# Altium PCB OpenRec.PcbDoc (part 3 of 4) (continued)
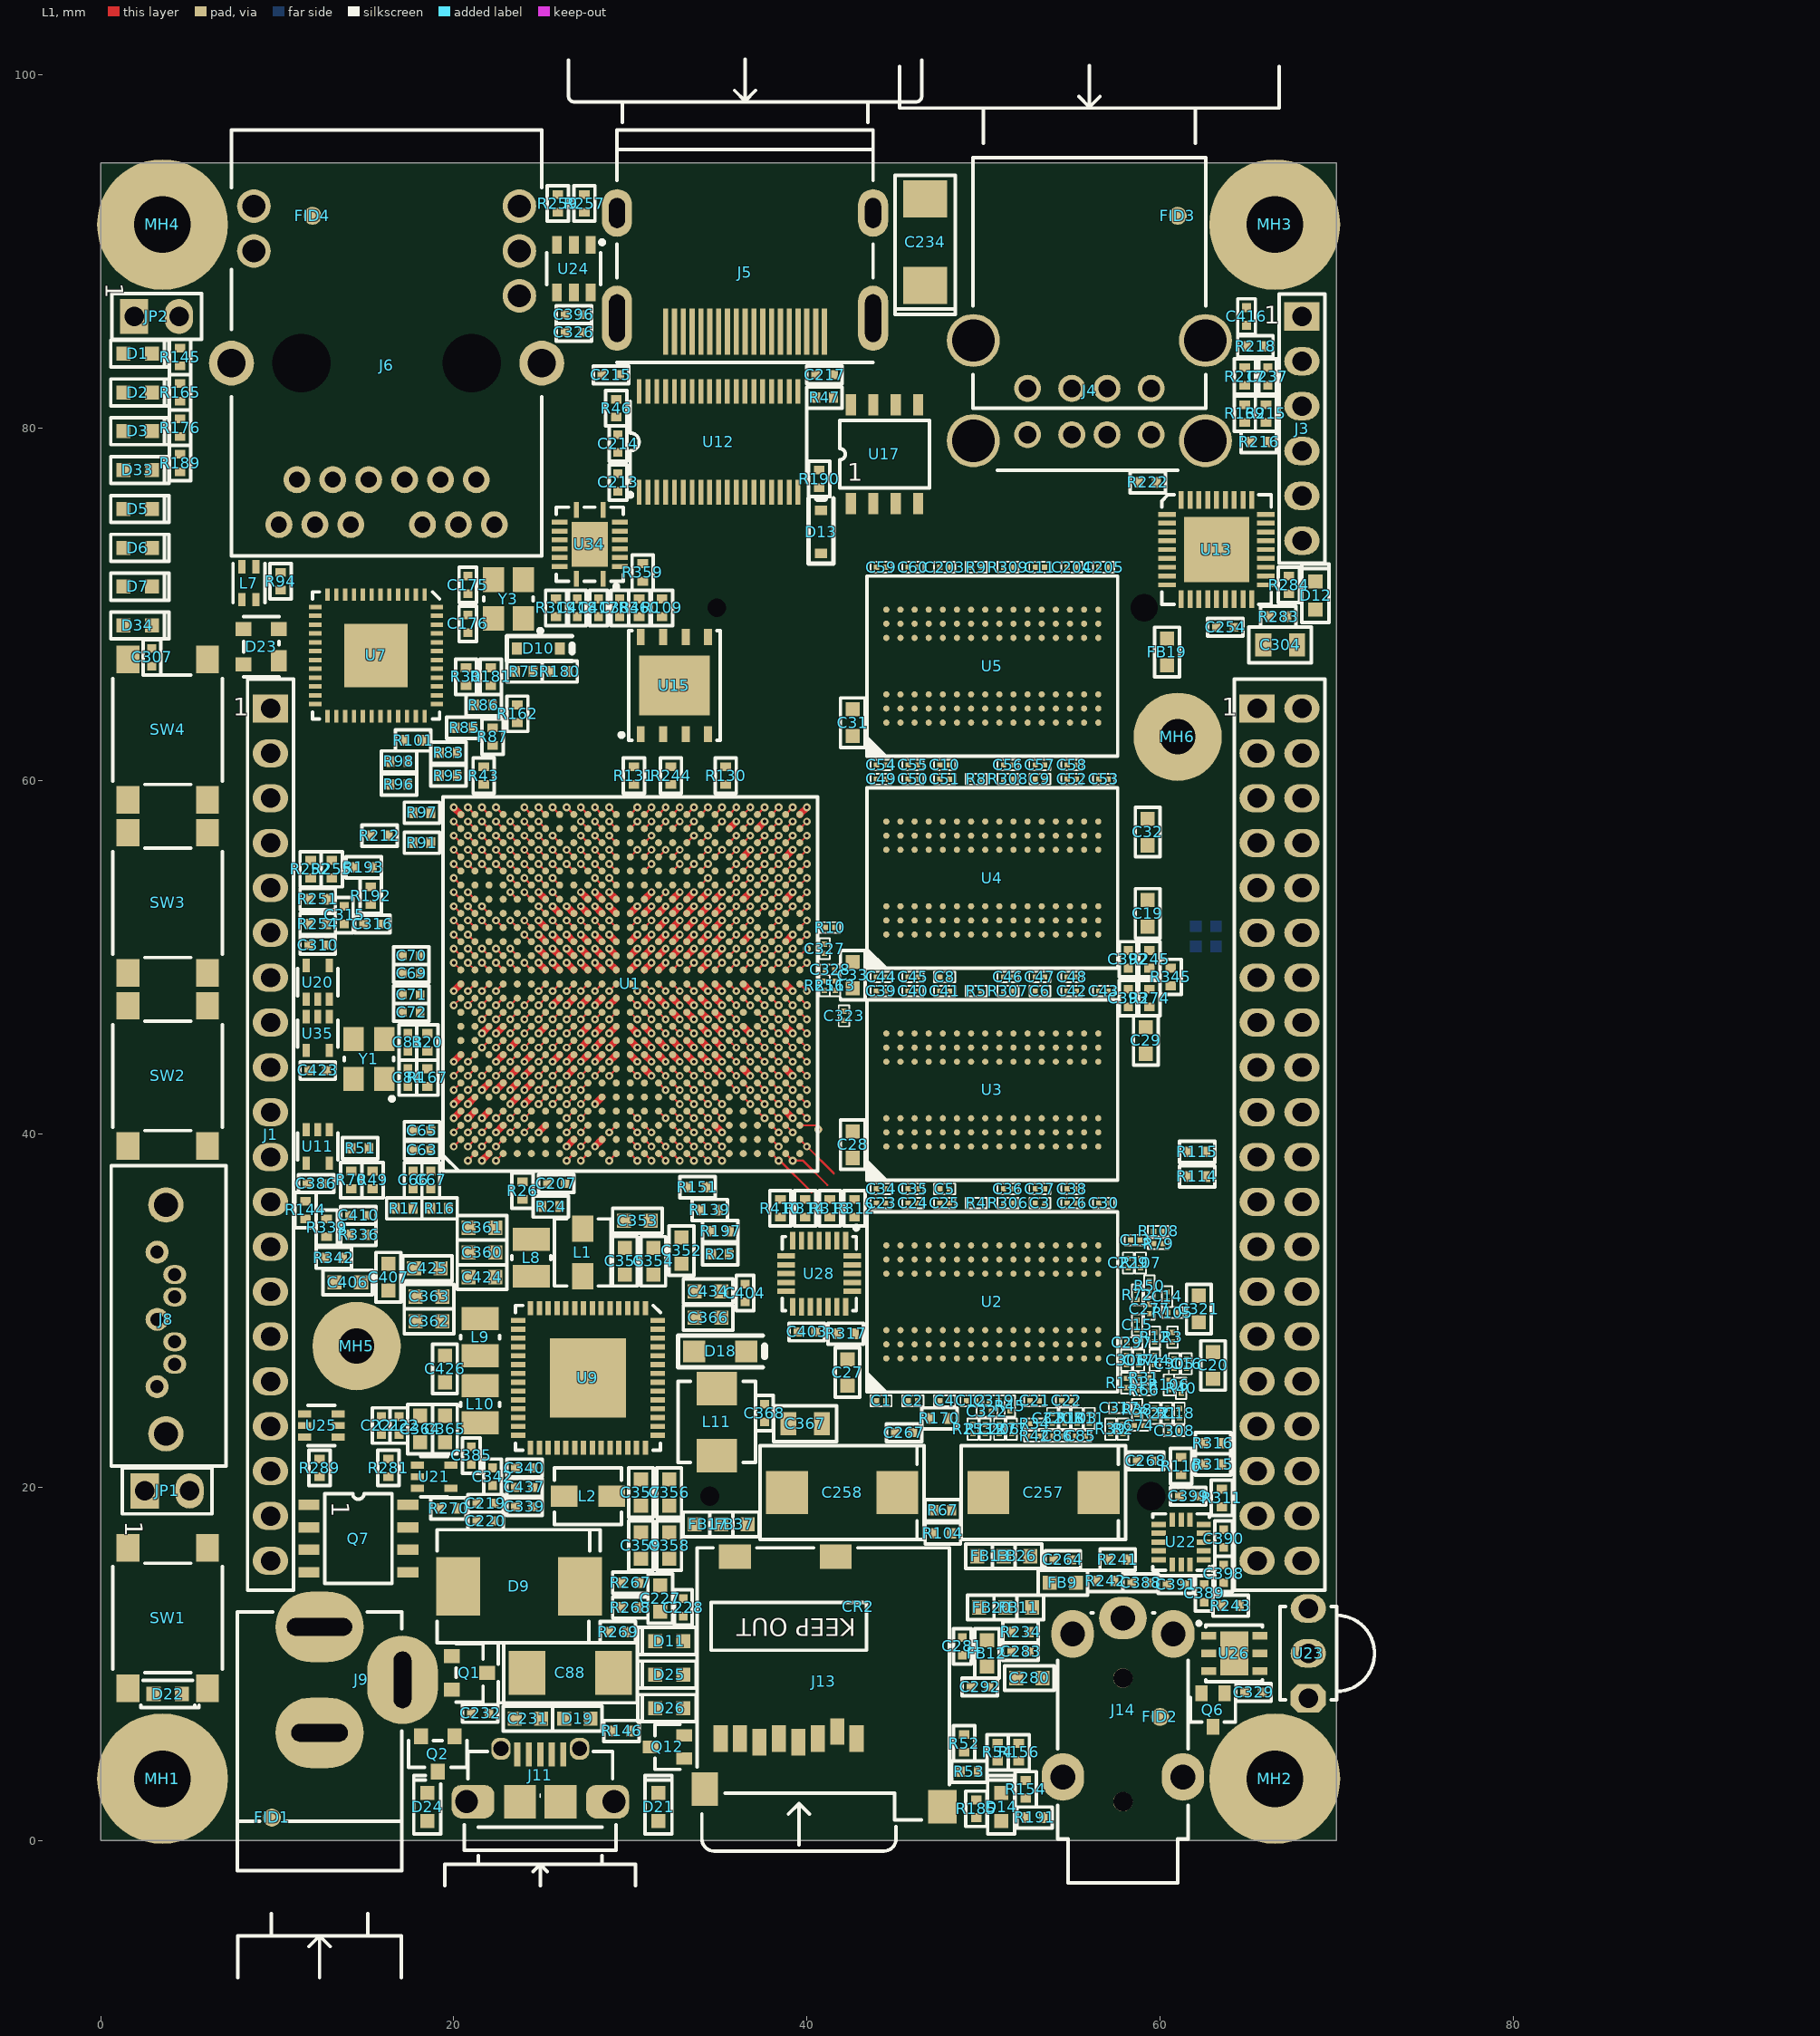
[diagram p0: L1 view]
## Part data
C1 C2 C3 C4 C5 C6 C8 C9 C10 C11 C12 C21 C22 C23 C24 C25 C26 C30 C34 C35 C36 C37 C38 C39 C40 C41 C42 C43 C44 C45 C46 C47 C48 C49 C50 C51 C52 C53 C54 C55 C56 C57 C58 C59 C60 C61 C62 C64 C68 C73 C75 C76 C77 C79 C81 C82 C90 C91 C92 C93 C94 C95 C97 C98 C99 C100 C102 C103 C104 C105 C107 C108 C109 C110 C112 C113 C114 C115 C116 C117 C119 C120 C121 C122 C123 C124 C125 C126 C130 C131 C132 C133 C134 C136 C138 C140 C142 C143 C144 C145 C146 C149 C150 C152 C154 C155 C157 C158 C159 C160 C161 C162 C163 C164 C165 C166 C167 C168 C169 C170 C171 C174 C203 C204 C205: library part C0603X5R0J224M030BB, "CAP CER 0.22UF 6.3V 20% X5R 0201"
C7 C13 C14 C15 C16 C17 C18 C74 C85 C86 C206 C229 C277 C297 C305 C306 C308 C317 C318 C319 C320 C322 C323: library part C0603X5R1C104K030BC, "CAP CER 0.1UF 16V 10% X5R 0201"
C19 C80 C180 C186 C191 C194 C199 C225 C227 C231 C239 C240 C278 C280 C299 C419: library part C1608X5R0J106M, "CAP CER 10UF 6.3V X5R 20% 0603"
C20 C27 C28 C29 C31 C32 C33 C321 C352 C353 C354 C355 C356 C357 C358 C359 C360 C361 C362 C363 C408 C409 C424 C425 C429 C430 C431: library part GRM188R60G226MEA0L, "CAP CER 22UF 4V 20% X5R 0603"
C63 C65 C66 C67 C87 C89 C181 C187 C190 C192 C195 C207 C213 C214 C215 C216 C217 C218 C219 C221 C226 C228 C230 C232 C235 C236 C243 C250 C252 C255 C256 C259 C260 C261 C265 C266 C267 C268 C269 C270 C272 C273 C274 C275 C276 C279 C281 C282 C283 C284 C285 C292 C294 C296 C298 C300 C301 C302 C303 C307 C309 C310 C314 C315 C316 C324 C325 C329 C340 C341 C342 C345 C346 C349 C350 C368 C370 C371 C374 C380 C382 C383 C384 C385 C386 C388 C389 C392 C393 C395 C398 C399 C401 C402 C403 C405 C412 C413 C414 C416 C417 C418 C420 C422 C423 C435: library part C1005X5R1H104K, "CAP CER .10UF 50V X5R 10% 0402"
C69 C70 C71 C72 C182 C183 C184 C185 C188 C189 C193 C196 C197 C198 C200 C201 C202 C220 C222 C248 C249 C313 C396 C404: library part C1005X7R1H103K, "CAP CER 10000PF 50V 10% X7R 0402"
C78 C208 C209 C244 C245 C246 C247 C251 C262 C263 C264 C333 C336 C344 C347 C348 C351 C369 C372 C373 C387 C391 C397: library part C1005X5R1A475M, "CAP CER 4.7UF 10V 20% X5R 0402"
C83 C84 C223 C224 C242 C415: library part C1005C0G1H180J, "CAP CER 18PF 50V C0G 5% 0402"
C88 C233 C234 C238: library part TPSC107K010R0150, "CAP TANT 100UF 10V 10% 2312"
C96 C101 C106 C111 C118 C127 C128 C129 C135 C172 C173: library part GRM188R60G226MEA0L_small, "CAP CER 22UF 4V 20% X5R 0603"
C137 C141 C147 C148 C151 C156 C364 C365 C381 C406 C407 C426 C427 C428: library part C1608X5R0J226M080AC, "CAP CER 22UF 6.3V 20% X5R 0603"
C139: library part C0603X5R1C103K030BA, "CAP CER .01UF 16V 10% X5R 0201"
C153 C378 C390: library part C1005X5R1E224M, "CAP CER .22UF 25V X5R 20% 0402"
C175 C176 C177 C178 C179 C210 C410 C432: library part C1005C0G1H220J, "CAP CER 22PF 50V C0G 5% 0402"
C211 C212: library part C0603C0G1H180J030BA, "CAP CER 18PF 50V 5% C0G 0201"
C237 C253 C254 C271 C293 C326 C330 C332 C335 C339 C375 C377 C379 C394 C400 C437: library part C1005X5R1C105K, "CAP CER 1.0UF 16V X5R 0402"
C241: library part GRM1555C1H561JA01D, "CAP CER 560PF 50V C0G 0402"
C257 C258: library part T520D337M006ATE045, "CAP TANT 330UF 6.3V 20% 2917"
C286 C287 C295: library part GRM155R71H271KA01D, "CAP CER 270PF 50V 10% X7R 0402"
C288 C289 C311 C312: library part C1005C0G1H101J, "CAP CER 100PF 50V 5% NP0 0402"
C290 C291: library part TLNS227M004R3000, "CAP TANT 220UF 4V 20% 1206"
C304 C367 C376 C421: library part C2012X5R1C106M, "CAP CER 10UF 16V 20% X5R 0805"
C327 C328: library part C0603C0G1H2R2C030BA, "CAP CER 2.2PF 50V C0G 0201"
C331 C334 C337 C338 C436: library part C1005X5R1A225K, "CAP CER 2.2UF 10V 10% X5R 0402"
C343: library part C1005X5R1C474K, "CAP CER .47UF 16V X5R 0402"
C366 C434: library part C1608X5R1A226M080AC, "CAP CER 22UF 10V X5R 0603"
C411 C433: library part C1005X7R1H221K, "CAP CER 220PF 50V X7R 10% 0402"
CR1: library part Card_Mini_PCIe, "Card MIni PCIe"
CR2: library part Card_Micro_SD, "Card Micro SD"
CR3: library part Card_Micro_SIM, "Card Micro SIM"
D1 D2 D3 D5 D6 D7 D33 D34: library part "LS L29K-H1J2-1-Z", "LED SMARTLED RED 630NM 0603 SMD"
D4 D8 D19 D31 D32: "SUPPRESSOR ESD 24VDC 0603 SMD"
D9: "DIODE GEN PURP 1KV 8A SMC"
D10 D27 D28 D29 D35 D36 D39: "DIODE SCHTKY 30MA 30V SOD-323"
D11 D22 D25 D26: library part "LG L29K-G2J1-24-Z", "LED SMARTLED GREEN 570NM 0603"
D12 D14 D21 D24: library part "LO L29K-H2K1-24-Z", "LED SMARTLED ORANGE 606NM 0603"
D13: "DIODE SCHOTTKY 30V 0.2A SOD323"
D15 D37: "TVS ZENER QUAD 5.6V SOT665"
D16 D17 D20 D23: "DIODE SWITCHING 50V SOT-143"
D18 D30 D38: "DIODE SCHOTTKY 40V 1A SOD123L"
FB1 FB2 FB9 FB10 FB14 FB16 FB17 FB31 FB32 FB34 FB35 FB37 FB39 FB40 FB41 FB42: library part BLM18SG221TN1D, "FERRITE CHIP 220 OHM 2500MA 0603"
FB3 FB4 FB6 FB7: "FERRITE CHIP 100 OHM BEAD 0603 3A"
FB5 FB18 FB21 FB22 FB29 FB30 FB43 FB44: "FERRITE CHIP 600 OHM 0402 420mA"
FB8: library part BLM15AX300SN1D, "FERRITE CHIP 30 OHM 1100MA 0402"
FB11 FB12 FB13 FB19 FB20 FB23 FB24 FB26 FB33 FB36 FB38: library part MPZ1608S601A, "FERRITE CHIP BEAD 600 OHM SMD 1A"
FB15 FB25 FB27 FB28: library part BLM15PD121SN1D, "FERRITE CHIP 120 OHM 1300MA 0402"
FID1 FID2 FID3 FID4 FID5 FID6 FID7 FID8: "Fiducial 40mil Diameter, 52mil Mask"
J1: "CONN RCPT 20POS .100\" DUAL GOLD"
J2: "CONN RCPT 40POS .100\" DUAL GOLD"
J3: library part 68001-206HLF, "CONN HEADER 6POS .100 STR 15AU"
J4: library part 5787617-1_v1.1, "CONN RCPT R/A 4OVER4POS GOLD PCB"
J5: library part 47151-0001_v1.1, "CONN RCPT 19POS HDMI RT ANG SMD"
J6: "CONN MAGJACK 1PORT SHLD 1000BT"
J7: "CONN FPC BOTTOM 40POS 0.50MM R/A"
J8: "CONN SATA HDR 7POS PCB VERT"
J9: library part PJ-002AH_v1.1, "CONN PWR JACK 2.1X5.5MM HIGH CUR"
J10: "CONN HEADER 4POS 1.25MM R/A SMD"
J11: library part 0475890001, "CONN RCPT MICRO USB AB R/A SMD"
J12: "CONN FPC BOTTOM 15POS 1.00MM R/A"
J13: "CONN MICRO SD 8 POS SMD"
J14: "CLIFF ELECTRONIC COMPONENTS - FC68125 - CONNECTOR, PHONO, 3.5MM, JACK, 4POLE"
J15: "CONN MINI EXPRESS CARD 52POS SMD"
J16: "CONN MINI EXPRESS CARD LATCH SMD"
J17: "CONN SMART CARD"
JP1 JP2: library part 68001-202HLF, "BERGSTIK II .100\" SR STRAIGHT"
L1 L2: library part IHLP1212AEER1R0M11, "FIXED IND 1UH 3.9A 33 MOHM SMD"
L3 L4 L5 L6 L7: "CHOKE COMM MODE 90 OHM .4A SMD"
L8 L9 L10: library part IFSC1008ABER1R0M01, "FIXED IND 1UH 2.6A 43 MOHM SMD"
L11: library part IHLP1616ABER2R2M11, "FIXED IND 2.2UH 2.75A 83.5 MOHM"
L12 L13: library part IHLP2020BZER1R0M11, "INDUCTOR POWER 1.0UH 7.5A SMD"
MH1 MH2 MH3 MH4: "Mounting Hole 7.4mm Diameter, 3.2mm Drill"
MH5 MH6: "Mounting Hole 5mm Diameter, 2mm Drill"
Q1 Q2: "MOSFET P-CH 20V 3.6A SOT-23"
Q3 Q4 Q5 Q6 Q9 Q12 Q13: "MOSFET N-CH 60V 310MA SOT323"
Q7: "MOSFET P-CH 30V 8.8A 8-SOIC"
Q8 Q11: "MOSFET 2N-CH 60V 0.3A 6TSSOP"
Q10 Q14: "TRANS PNP 40V 0.2A SOT23"
R1 R2 R3 R11 R12 R22 R31 R34 R38 R39 R40 R42 R44 R45 R50 R66 R72 R77 R79 R103 R105 R106 R107 R108 R111: library part MCR006YRTF47R0, "RES SMD 47 OHM 1% 1/20W 0201"
R4 R5 R8 R9 R10 R306 R307 R308 R309: library part RMCF0201FT240R, "RES 240 OHM 1/20W 1% 0201"
R6 R7: library part RC0201FR-0710KL, "RES 10K OHM 1/20W 1% 0201 SMD"
R13 R14 R18 R19 R24 R25 R26 R27 R29 R33 R36 R41 R46 R51 R60 R65 R67 R70 R71 R74 R76 R78 R80 R88 R93 R104 R117 R119 R120 R121 R122 R123 R125 R126 R127 R128 R129 R135 R136 R138 R139 R154 R155 R156 R158 R169 R170 R177 R178 R179 R180 R182 R183 R184 R194 R195 R196 R204 R207 R218 R227 R228 R234 R236 R238 R241 R242 R243 R247 R248 R258 R259 R271 R273 R276 R277 R278 R279 R281 R282 R287 R288 R297 R298 R304 R311 R313 R314 R316 R318 R320 R321 R322 R323 R324 R325 R326 R327 R328 R329 R330 R331 R332 R333 R334 R340 R341 R342 R343 R345 R348 R350 R351 R352 R353 R354 R355 R357 R361 R362 R363 R364 R366 R367 R368 R369 R373 R374 R378 R384 R389 R390 R391 R392 R397 R404 R406 R407 R411 R412 R413: library part RC0402JR-070RL, "RES 0.0 OHM 1/16W 0402 SMD"
R15 R48 R49 R52 R53 R54 R57 R58 R59 R62 R63 R64 R68 R69 R75 R91 R94 R95 R96 R97 R98 R109 R110 R114 R115 R116 R140 R143 R144 R147 R150 R151 R159 R163 R164 R166 R173 R174 R175 R191 R197 R198 R199 R201 R208 R209 R210 R211 R212 R213 R225 R229 R240 R244 R250 R251 R252 R265 R270 R272 R280 R283 R284 R285 R286 R289 R293 R303 R305 R310 R312 R315 R317 R319 R335 R359 R360 R380 R381 R382 R383 R398 R405 R410: library part RC0402FR-0710KL, "RES 10.0K OHM 1/16W 1% 0402 SMD"
R16 R17: library part RC0402FR-0749R9L, "RES 49.9 OHM 1/16W 1% 0402 SMD"
R20: library part CRCW04022M20FKED, "RES 2.20M OHM 1/16W 1% 0402 SMD"
R21 R118 R237 R263 R264 R356 R403: library part RC0402FR-0747KL, "RES 47.0K OHM 1/16W 1% 0402 SMD"
R23: library part ERJ-2RKF1601X, "RES 1.6K OHM 1/10W 1% 0402 SMD"
R28 R87 R89 R132 R133 R134 R137 R142 R148 R157 R171 R172 R187 R188 R205 R257 R290 R291 R302: library part RMCF0402FT4K99, "RES TF 4.99K OHM 1% 1/16W 0402"
R30 R101 R102 R162 R219 R346: library part RC0402FR-071KL, "RES 1.00K OHM 1/16W 1% 0402 SMD"
R32: library part CRCW02011K60FKED, "RES 1.60K OHM 1/20W 1% 0201 SMD"
R35 R43 R83 R85 R86 R90 R92 R124 R130 R131 R152 R153 R161 R181 R206 R275: library part RC0402FR-0722RL, "RES 22.0 OHM 1/16W 1% 0402 SMD"
R37: library part CRCW0402200RFKED, "RES 200 OHM 1/16W 1% 0402 SMD"
R47 R230 R231: library part RC0402FR-0715KL, "RES 15.0K OHM 1/16W 1% 0402 SMD"
R55 R56: library part RMCF0201FT4K99, "RES 4.99K OHM 1/20W 1% 0201"
R61: library part RC0201FR-071KL, "RES 1K OHM 1/20W 1% 0201 SMD"
R73 R203 R214 R215 R216 R217 R220 R221 R223 R224 R239 R261 R262 R266 R338 R344 R347 R365 R385 R393 R394 R395 R396 R401 R408: library part RMCF0402FT100K, "RES 100K OHM 1/16W 1% 0402 SMD"
R81 R82: library part RC0402FR-07220RL, "RES 220 OHM 1/16W 1% 0402 SMD"
R84: library part RC0402FR-0712K1L, "RES SMD 12.1K OHM 1% 1/16W 0402"
R99: library part ERJ-1GEF1910C, "RES 191 OHM 1/20W 1% 0201 SMD"
R100: library part RNCP1206FTD1K00, "RES SMD 1K OHM 1% 1/2W 1206"
R112 R113 R253 R256: library part MCR006YRTF49R9, "RES 49.9 OHM 1/20W 1% 0201 SMD"
R141 R149 R232 R233 R254 R255 R299 R300: library part RMCF0402FT33R0, "RES TF 33 OHM 1% 1/16W 0402"
R145 R165 R176 R189 R192 R193 R200 R202 R387: library part RC0402FR-071K5L, "RES 1.50K OHM 1/16W 1% 0402 SMD"
R146 R185 R186 R226 R245 R274 R379: library part RMCF0402FT240R, "RES TF 240 OHM 1% 0.0625W 0402"
R160: library part ERJ-1GEF6041C, "RES 6.04K OHM 1/20W 1% 0201 SMD"
R167: library part CRCW040210M0FKED, "RES 10.0M OHM 1/16W 1% 0402 SMD"
R168: library part MCR006YZPF1005, "RES 10M OHM 1/20W 1% 0201 SMD"
R190: library part RC0402FR-0727KL, "RES 27.0K OHM 1/16W 1% 0402 SMD"
R222: library part RC0402FR-0712KL, "RES 12.0K OHM 1/16W 1% 0402 SMD"
R235: library part RC0402FR-072K2L, "RES 2.20K OHM 1/16W 1% 0402 SMD"
R246 R249: library part RC0402FR-0760R4L, "RES SMD 60.4 OHM 1% 1/16W 0402"
R260: library part RC0201FR-07100KL, "RES 100K OHM 1/20W 1% 0201 SMD"
R267 R268 R269: library part CRCW0402330RFKED, "RES 330 OHM 1/16W 1% 0402 SMD"
R292: library part CRCW040211K8FKED, "RES 11.8K OHM 1/16W 1% 0402 SMD"
R294 R295: library part RC0805JR-070RL_small, "RES 0.0 OHM 1/8W 0805 SMD"
R296: library part CRCW040210K5FKED, "RES 10.5K OHM 1/16W 1% 0402 SMD"
R301: library part CRCW0402470KFKED, "RES 470K OHM 1/16W 1% 0402 SMD"
R336: library part RC0402FR-0782KL, "RES 82.0K OHM 1/16W 1% 0402 SMD"
R337 R400: library part RC0402FR-07150KL, "RES 150K OHM 1/16W 1% 0402 SMD"
R339: library part CRCW040263K4FKED, "RES SMD 63.4K OHM 1% 1/16W 0402"
R358: library part RC0402FR-071ML, "RES 1.00M OHM 1/16W 1% 0402 SMD"
R370 R371 R372 R375 R376 R377: library part RC0402FR-073K3L, "RES 3.30K OHM 1/16W 1% 0402 SMD"
R386: library part RC0402FR-0724KL, "RES SMD 24K OHM 1% 1/16W 0402"
R388: library part RC0402FR-073KL, "RES 3K OHM 1/16W 1% 0402 SMD"
R399: library part CRCW0402390KFKED, "RES 390K OHM 1/16W 1% 0402 SMD"
R402: library part RC0402FR-0786K6L, "RES SMD 86.6K OHM 1% 1/16W 0402"
SW1 SW2 SW3 SW4: "SWITCH TACTILE SPST-NO 0.05A 12V"
TP1 TP2 TP3 TP4 TP5 TP6 TP7 TP8 TP9 TP10 TP11 TP12 TP13 TP14 TP15 TP16 TP17 TP18 TP19 TP20 TP21 TP22 TP23 TP24 TP25 TP26 TP27 TP28 TP29 TP30 TP31 TP32 TP33 TP34 TP35 TP36 TP37 TP38 TP39 TP40 TP41: "Test Point 25mil"
U1: "IC MCU 32BIT ARM QUAD 624FCBGA"
U2 U3 U4 U5: "IC DDR3 SDRAM 4GBIT 800MHZ FBGA"
U6: library part LPC1345FHN33,551, "IC MCU ARM 32KB FLASH 32HVQFN"
U7: "IC TXRX ETHERNET 48-QFN"
U8 U10 U21: "IC GATE AND 1CH 2-INP SC-70-5"
U9: "IC PWR MGMT I.MX6 56QFN"
U11 U20 U35: "SINGLE POSITIVE AND GATE SC-70"
U12: "IC HDMI TX PORT P/I 38-TSSOP"
U13: "USB HUB CONT IND TEMP 36QFNE3"
U14: "IC AUDIO CODEC STEREO 32-QFN"
U15: "IC FLASH 32MBIT"
U16: "IC BUFF CMOS LVL/SFTR N-I SOT353"
U17: "IC SW DISTRIBUTION 2CHAN 8SOIC"
U18: "IC EEPROM 2KBIT 400KHZ 8MSOP"
U19: library part TJA1040T/CM,118, "IC TRANSCEIVER CAN 8SOIC"
U22: "SENSOR XTRINSIC 6-AXIS QFN"
U23: "IC IR RCVR MOD 38KHZ DOME AXIAL"
U24: "IC DIGITAL TEMP SENSOR SOT23-6"
U25: "IC SWITCH SPDT SC70-6"
U26: "SENSIRION - SHT21 - SENSOR, HUMIDITY & TEMP, 3X3MM, 2%"
U27: "IC VREF SHUNT ADJ SOT23-3"
U28: "GYROSCOPE 3-AXIS 24QFN"
U29: "IC SGL SCHMT-TRIG INVERT SC70-5"
U30 U36: "IC REG BUCK SYNC ADJ 4A 16TQFN"
U31: library part TPS3808G09DBVR, "IC VOLT SUPERVISOR 0.9V SOT23-6"
U32: "IC PWM REG 600mA 1.2V 12-MLF"
U33: "IC BUFFER SCHMIT TRIG SC705"
U34: "IC BUS TRANSCVR 4BIT 16QFN"
Y1 Y4: library part ABM8-24.000MHZ-R60-D-1-W-T, "CRYSTAL 24MHZ 18PF SMD"
Y2: library part ABS06-32.768KHZ-9-1-T, "CRYSTAL 32.768 KHZ 9.0 PF SMD"
Y3: library part ABM8G-25.000MHZ-18-D2Y-T, "CRYSTAL 25MHZ 18PF SMD"
Y5: "CRYSTAL 12MHZ 12PF SMD"

## Via types
v1: diameter 0.45, hole 0.2, L1 to L10, 534 vias

## Nets (pads, with @x,y where several pads share a name; then routed paths per layer and width w, separated by ;. In a path a pad name is that pad's centre, name@x,y a point inside that pad or via, vN(x,y) a via of type N, cw(c..) or ccw(c..) an arc to the next point about the centre after c; other vN are vias at no path point)
5V_IN_CTRL: Q7.4 Q10.3 R301.2
+0V75_DDR_VTT: C13.2 C14.2 C15.2 C16.2 C17.2 C18.2 C20.2 C74.2 C85.2 C86.2 C206.2 C229.1 C277.1 C297.1 C305.1 C306.1 C308.1 C317.1 C318.1 C319.1 C320.1 C321.1 C362.1 C363.1 C425.1 L9.2 R1.2 R2.2 R3.2 R11.2 R12.2 R22.2 R31.2 R34.2 R38.2 R39.2 R40.2 R42.2 R44.2 R45.2 R50.2 R66.2 R72.2 R77.2 R79.2 R103.2 R105.2 R106.2 R107.2 R108.2 R111.2 TP14.1 U9.19
+1V1_NVCC_PLL_OUT: C150.1 C151.1 U1.E8 | length 0.6
  L1 w0.12: v1(23.2,44.1) U1.E8@23.6,44.5
+1V1_VDDSOC_CAP: C78.1 C112.1 C113.1 C114.1 C115.1 C116.1 C117.1 C118.1 C138.1 C246.1 FB1.1 R13.1 R18.1 R27.1 U1.N12 U1.R10 U1.T10 U1.T13 U1.T14 U1.U10 U1.U13 U1.U14 | length 4.5
  L1 w0.12: U1.N12@30,47.7 v1(30.4,47.3) ; U1.R10@31.6,46.1 v1(32,45.7) ; U1.T10@32.4,46.1 v1(32.8,45.7) ; U1.T13@32.4,48.5 v1(32.8,48.1) ; U1.T14@32.4,49.3 v1(32.8,49.7) ; U1.U10@33.2,46.1 v1(33.6,45.7) ; U1.U13@33.2,48.5 v1(33.6,48.1) ; U1.U14@33.2,49.3 v1(33.6,49.7)
+1V2_ETH: FB3.1 FB4.1 FB5.1 FB8.2 R352.2 R353.1 TP9.1
+1V2_ETH_AVDDL: C186.1 C187.1 C188.1 C189.1 FB4.2 U7.4 U7.9
+1V2_ETH_AVDDL_PLL: C191.1 C192.1 C193.1 FB5.2 U7.44
+1V2_ETH_DVDDL: C180.1 C181.1 C182.1 C183.1 C184.1 C185.1 C248.1 C249.1 FB3.2 U7.14 U7.18 U7.23 U7.26 U7.30 U7.39
+1V2_PMIC: C333.1 R353.2 TP33.1 U9.18
+1V2_REG: C240.1 C241.1 R352.1 U32.7 U32.8 U32.10 U32.15
+1V2_VDD_ARM_CAP: C97.1 C98.1 C99.1 C100.1 C101.1 C102.1 C103.1 C104.1 C105.1 C106.1 U1.H11 U1.H13 U1.J11 U1.J13 U1.K11 U1.K13 U1.L11 U1.L13 U1.M11 U1.M13 U1.N11 U1.N13 U1.P11 U1.P13 U1.R11 U1.R13 | length 9.1
  L1 w0.12: v1(25.6,46.5) U1.H11@26,46.9 ; v1(25.6,48.1) U1.H13@26,48.5 ; v1(26.4,46.5) U1.J11@26.8,46.9 ; v1(26.4,48.1) U1.J13@26.8,48.5 ; v1(27.2,46.5) U1.K11@27.6,46.9 ; v1(27.2,48.1) U1.K13@27.6,48.5 ; v1(28,46.5) U1.L11@28.4,46.9 ; v1(28,48.1) U1.L13@28.4,48.5 ; v1(28.8,46.5) U1.M11@29.2,46.9 ; v1(28.8,48.1) U1.M13@29.2,48.5 ; U1.N11@30,46.9 v1(30.4,46.5) ; U1.N13@30,48.5 v1(30.4,48.1) ; U1.P11@30.8,46.9 v1(31.2,46.5) ; U1.P13@30.8,48.5 v1(31.2,48.1) ; U1.R11@31.6,46.9 v1(32,46.5) ; U1.R13@31.6,48.5 v1(32,48.1)
+1V5_DDR: C1.1 C2.1 C12.1 C13.1 C14.1 C15.1 C16.1 C17.1 C18.1 C19.1 C20.1 C21.1 C22.1 C23.1 C24.1 C25.1 C26.1 C27.1 C28.1 C29.1 C30.1 C31.1 C32.1 C33.1 C34.1 C35.1 C36.1 C37.1 C38.1 C39.1 C40.1 C41.1 C42.1 C43.1 C44.1 C45.1 C46.1 C47.1 C48.1 C49.1 C50.1 C51.1 C52.1 C53.1 C54.1 C55.1 C56.1 C57.1 C58.1 C59.1 C60.1 C74.1 C85.1 C86.1 C157.1 C158.1 C159.1 C160.1 C161.1 C162.1 C167.1 C168.1 C169.1 C170.1 C171.1 C172.1 C173.1 C203.1 C204.1 C205.1 C206.1 C322.2 C323.2 C340.1 C356.1 C357.1 C358.1 C359.1 C392.1 C437.1 FB10.2 FB20.1 L2.2 R245.2 R302.2 TP32.1 U1.R18 U1.T18 U1.U18 U1.V9 U1.V10 U1.V11 U1.V12 U1.V13 U1.V14 U1.V15 U1.V16 U1.V17 U1.V18 U2.A1 U2.A8 U2.B2 U2.C1 U2.C9 U2.D2 U2.D9 U2.E9 U2.F1 U2.G7 U2.H2 U2.H9 U2.K2 U2.K8 U2.N1 U2.N9 U2.R1 U2.R9 U3.A1 U3.A8 U3.B2 U3.C1 U3.C9 U3.D2 U3.D9 U3.E9 U3.F1 U3.G7 U3.H2 U3.H9 U3.K2 U3.K8 U3.N1 U3.N9 U3.R1 U3.R9 U4.A1 U4.A8 U4.B2 U4.C1 U4.C9 U4.D2 U4.D9 U4.E9 U4.F1 U4.G7 U4.H2 U4.H9 U4.K2 U4.K8 U4.N1 U4.N9 U4.R1 U4.R9 U5.A1 U5.A8 U5.B2 U5.C1 U5.C9 U5.D2 U5.D9 U5.E9 U5.F1 U5.G7 U5.H2 U5.H9 U5.K2 U5.K8 U5.N1 U5.N9 U5.R1 U5.R9 U9.30 U9.38 | length 7.4
  L1 w0.4: U1.R18@31.6,52.5 v1(32,52.9) ; U1.T18@32.4,52.5 v1(32.8,52.9) ; U1.U18@33.2,52.5 v1(33.6,52.9) ; U1.V9@34,45.3 v1(34.4,44.9) ; U1.V10@34,46.1 v1(34.4,45.7) ; U1.V11@34,46.9 v1(34.4,46.5) ; U1.V12@34,47.7 v1(34.4,47.3) ; U1.V13@34,48.5 v1(34.4,48.1) ; U1.V14@34,49.3 v1(34.4,49.7) ; U1.V15@34,50.1 v1(34.4,50.5) ; U1.V16@34,50.9 v1(34.4,51.3) ; U1.V17@34,51.7 v1(34.4,52.1) ; U1.V18@34,52.5 v1(34.4,52.9)
+1V5_MPCIE: C259.1 C260.1 C261.1 C262.1 FB10.1 J15.6 J15.28 J15.48
+1V8_AUDIO: C334.1 FB11.2 FB26.2 TP34.1 U9.26
+1V375_CORE: C90.1 C91.1 C92.1 C93.1 C94.1 C95.1 C96.1 C107.1 C108.1 C109.1 C110.1 C111.1 C352.1 C353.1 C354.1 C355.1 FB8.1 L1.2 R340.2 TP8.1 U1.H14 U1.J14 U1.K9 U1.K14 U1.L9 U1.L14 U1.M9 U1.M14 U1.N9 U1.N14 U1.P9 U1.P14 U1.R9 U1.R14 U1.T9 U1.U9 U9.6 | length 9.1
  L1 w0.4: v1(25.6,49.7) U1.H14@26,49.3 ; v1(26.4,49.7) U1.J14@26.8,49.3 ; v1(27.2,44.9) U1.K9@27.6,45.3 ; v1(27.2,49.7) U1.K14@27.6,49.3 ; v1(28,44.9) U1.L9@28.4,45.3 ; v1(28,49.7) U1.L14@28.4,49.3 ; v1(28.8,44.9) U1.M9@29.2,45.3 ; v1(28.8,49.7) U1.M14@29.2,49.3 ; U1.N9@30,45.3 v1(30.4,44.9) ; U1.N14@30,49.3 v1(30.4,49.7) ; U1.P9@30.8,45.3 v1(31.2,44.9) ; U1.P14@30.8,49.3 v1(31.2,49.7) ; U1.R9@31.6,45.3 v1(32,44.9) ; U1.R14@31.6,49.3 v1(32,49.7) ; U1.T9@32.4,45.3 v1(32.8,44.9) ; U1.U9@33.2,45.3 v1(33.6,44.9)
+1V375_SOC: C119.1 C120.1 C121.1 C122.1 C123.1 C124.1 C125.1 C126.1 C127.1 C128.1 C129.1 C360.1 C361.1 C408.1 C409.1 C410.2 C424.1 L8.1 L12.2 R336.2 R384.1 TP11.1 U1.H16 U1.J16 U1.K16 U1.L16 U1.M16 U1.N16 U1.P16 U1.R16 U1.T16 U1.U16 | length 5.7
  L1 w0.4: v1(25.6,51.3) U1.H16@26,50.9 ; v1(26.4,51.3) U1.J16@26.8,50.9 ; v1(27.2,51.3) U1.K16@27.6,50.9 ; v1(28,51.3) U1.L16@28.4,50.9 ; v1(28.8,51.3) U1.M16@29.2,50.9 ; U1.N16@30,50.9 v1(30.4,51.3) ; U1.P16@30.8,50.9 v1(31.2,51.3) ; U1.R16@31.6,50.9 v1(32,51.3) ; U1.T16@32.4,50.9 v1(32.8,51.3) ; U1.U16@33.2,50.9 v1(33.6,51.3)
+2V5: C153.1 C209.1 C244.1 C247.1 C336.1 FB6.1 R14.1 R19.1 R29.1 R36.1 R74.2 R78.2 R80.2 TP35.1 U9.28
+2V5_ETH_DVDDH: C194.1 C195.1 C196.1 C197.1 C198.1 FB6.2 R75.2 R87.2 R89.2 R91.2 R94.2 R95.2 R96.2 R97.2 R98.2 R162.2 U7.16 U7.34 U7.40
+2V5_VDDHIGH_VPH: C139.1 C140.1 C141.1 U1.H10 U1.J10 | length 1.1
  L1 w0.12: v1(25.6,45.7) U1.H10@26,46.1 ; v1(26.4,45.7) U1.J10@26.8,46.1
+3V0_ALWAYS: C87.1 C136.1 C137.1 C142.1 C338.1 C412.1 R48.2 R55.2 R59.2 R73.2 R171.2 R172.2 R173.2 R225.2 R229.2 R264.2 R266.2 R272.2 R405.2 TP37.1 U1.G11 U1.H9 U1.J9 U9.41 U10.5 U31.6 | length 1.7
  L1 w0.12: v1(24.8,46.5) U1.G11@25.2,46.9 ; v1(25.6,44.9) U1.H9@26,45.3 ; v1(26.4,44.9) U1.J9@26.8,45.3
+3V0_VSNVS: C343.1 R262.2 R347.2 R385.2 U9.43
+3V3: C89.1 C144.1 C146.1 C147.1 C148.1 C154.1 C163.1 C164.1 C165.1 C166.1 C174.1 C273.1 C280.1 C296.1 C307.1 C310.1 C324.2 C326.2 C329.1 C330.1 C332.1 C364.1 C365.1 C380.1 C384.1 C386.1 C395.1 C396.1 C405.1 C414.1 C417.1 C418.1 C426.1 D1.2 D2.2 D3.2 D5.2 D6.2 D7.2 D11.2 D13.2 D14.2 D21.2 D22.2 D25.2 D26.2 D30.2 D33.2 D34.2 FB7.1 FB9.1 FB12.1 FB13.2 FB14.1 FB16.1 FB19.1 FB30.1 FB33.1 FB36.1 FB41.2 FB42.2 FB43.1 J6.14 J6.16 J13.4 L10.2 Q8.2 Q8.5 Q11.2 Q11.5 R15.2 R21.2 R28.2 R46.2 R49.2 R57.2 R62.2 R63.2 R64.2 R68.2 R69.2 R76.2 R109.1 R114.2 R116.2 R118.2 R132.2 R133.2 R134.2 R137.2 R140.2 R142.2 R143.2 R147.2 R148.2 R150.2 R151.2 R159.2 R197.2 R198.2 R201.2 R208.2 R209.2 R212.2 R213.2 R226.2 R240.2 R244.2 R251.2 R252.2 R257.2 R258.1 R260.2 R263.2 R280.2 R289.2 R290.2 R291.2 R319.2 R355.1 R356.2 R359.2 R360.2 R370.2 R371.2 R375.2 R376.2 R381.2 R410.2 TP15.1 U1.G14 U1.G15 U1.G16 U1.G17 U1.J7 U1.K19 U1.L19 U1.M19 U1.P7 U1.P19 U8.5 U9.17 U9.25 U9.27 U9.55 U11.5 U15.8 U18.1 U18.2 U18.3 U18.8 U20.5 U24.4 U25.5 U26.5 U29.5 U33.5 U34.1 U34.16 | length 5.7
  L1 w0.4: v1(24.8,49.7) U1.G14@25.2,49.3 ; v1(24.8,50.5) U1.G15@25.2,50.1 ; v1(24.8,51.3) U1.G16@25.2,50.9 ; v1(24.8,52.1) U1.G17@25.2,51.7 ; v1(26.4,43.3) U1.J7@26.8,43.7 ; v1(27.2,53.7) U1.K19@27.6,53.3 ; v1(28,53.7) U1.L19@28.4,53.3 ; v1(28.8,53.7) U1.M19@29.2,53.3 ; U1.P7@30.8,43.7 v1(31.2,43.3) ; U1.P19@30.8,53.3 v1(31.2,53.7)
+3V3_COMP: C387.1 C388.1 FB33.2 R243.1 U22.14
+3V3_COMP_IO: C389.1 R110.1 R243.2 R315.2 U22.1
+3V3_CSI1: C225.1 C226.1 FB16.2 J7.1 J7.2
+3V3_ETH_AVDDH: C190.1 C199.1 C200.1 C201.1 C202.1 FB7.2 U7.1 U7.12 U7.47
+3V3_GYRO: C400.1 C401.1 FB36.2 R320.1 U28.15
+3V3_GYRO_IO: C402.1 R312.1 R317.1 R320.2 R383.1 U28.18
+3V3_HDMI: C214.1 R46.1 U12.2
+3V3_HDR: C429.1 C430.1 C431.1 C432.2 D38.2 FB39.2 FB40.2 L13.2 R399.2 TP40.1
+3V3_HDR_J1: C298.2 C419.1 FB40.1 FB42.1 J1.7
+3V3_HDR_J2: C299.1 C300.1 C301.1 FB39.1 FB41.1 J2.1 J2.17
+3V3_IR: C325.1 C394.1 R226.1 U23.3
+3V3_LDO: C337.1 FB29.1 TP36.1 U9.39
+3V3_MCU: C219.1 C220.1 C221.1 C222.1 C385.1 D24.2 FB29.2 FB30.2 Q14.2 R270.2 R380.2 R386.2 U6.6 U6.29 U21.5
+3V3_MPCIE: C257.1 C258.1 C263.1 C264.1 C265.1 C266.1 C267.1 C268.1 FB9.2 J15.2 J15.24 J15.39 J15.41 J15.52
+3V3_USB_HUB: C243.1 C245.2 C250.1 C251.2 C255.1 C256.1 C269.1 C270.1 C271.2 FB19.2 R169.2 R217.2 R283.1 R284.1 R285.2 R286.2 U13.5 U13.10 U13.15 U13.23 U13.29 U13.36
+5V: C73.1 C75.1 C213.1 C237.1 C366.1 C404.1 C434.1 D18.1 FB17.1 FB32.2 FB35.2 FB38.1 FB44.1 R215.1 TP16.1 U1.D10 U1.E9 U9.44 U12.1 | length 1.1
  L1 w0.4: v1(22.4,45.7) U1.D10@22.8,46.1 ; v1(23.2,44.9) U1.E9@23.6,45.3
+5V_FTDI: C421.1 C422.1 D30.1 D38.1 J3.3 R372.2 R377.2
+5V_HDMI_CON: C216.1 J5.18 R187.2 R188.2 U12.38
+5V_HDR_J1: C238.1 C420.1 D23.1 FB34.1 FB35.1 J1.1
+5V_HDR_J2: C302.1 C303.1 C304.1 FB31.1 FB32.1 J2.2 J2.4
+5V_MPCIE: C227.1 C228.1 FB17.2 FB37.2 J15.49 J15.51
+5V_USB_BOT: C233.1 C235.1 D17.1 FB23.2 FB38.2 J4.1 U17.8
+5V_USB_OTG: C231.1 C232.1 D16.1 FB2.2 J11.1 Q2.3 TP4.1
+5V_USB_OTG_Q: C230.2 Q1.2 Q2.2 R214.2 U16.5
+5V_USB_TOP: C234.1 C236.1 D20.1 FB24.1 J4.5 U17.5
+DDR_VREF: C3.1 C4.1 C5.1 C6.1 C7.1 C8.1 C9.1 C10.1 C11.1 C392.2 C393.1 R245.1 R274.2 R345.1 U1.AC2 U2.H1 U2.M8 U3.H1 U3.M8 U4.H1 U4.M8 U5.H1 U5.M8 | length 0.6
  L1 w0.12: U1.AC2@38,39.7 v1(38.4,39.3)
+DDR_VREF_PMIC: C339.1 R345.2 U9.31
+GYRO_VREGD: C403.1 U28.16
+HDMI_VP: C76.1 R27.2 U1.L7 | length 0.6
  L1 w0.12: v1(28,43.3) U1.L7@28.4,43.7
+HDMI_VPH: C77.1 R29.2 U1.M7 | length 0.6
  L1 w0.12: v1(28.8,43.3) U1.M7@29.2,43.7
+LVDS_2V5: C79.1 C208.1 R36.2 U1.V7 | length 0.6
  L1 w0.12: U1.V7@34,43.7 v1(34.4,43.3)
+MPCIE_SIM_PWR: C218.1 D15.3 J15.8 J17.C1
+MPCIE_SIM_VPP: C383.1 J15.16 J17.C6
+NVCC_CSI: C145.1 R76.1 U1.N7 | length 0.6
  L1 w0.12: U1.N7@30,43.7 v1(30.4,43.3)
+NVCC_ENET: C155.1 C156.1 R74.1 U1.R19 | length 0.6
  L1 w0.12: U1.R19@31.6,53.3 v1(32,53.7)
+NVCC_MIPI: C149.1 R78.1 U1.K7 | length 0.6
  L1 w0.12: v1(27.2,43.3) U1.K7@27.6,43.7
+NVCC_RGMII: C152.1 R80.1 U1.G18 | length 0.6
  L1 w0.12: v1(24.8,52.9) U1.G18@25.2,52.5
+PCIE_VP: C61.1 R13.2 U1.H7 | length 0.6
  L1 w0.12: v1(25.6,43.3) U1.H7@26,43.7
+PCIE_VPH: C64.1 R14.2 U1.G7 | length 0.6
  L1 w0.12: v1(24.8,43.3) U1.G7@25.2,43.7
+PCIE_VPTX: C62.1 FB1.2 U1.G8 | length 0.6
  L1 w0.12: v1(24.8,44.1) U1.G8@25.2,44.5
+PMIC_LICELL: C341.1 U9.42
+PMIC_VCORE: C379.1 U9.49
+PMIC_VCOREREF: C378.1 U9.52
+PWRON_1V375_OPT: C331.1 R341.2 U9.16
+SATA_VP: C81.1 R18.2 U1.G13 | length 0.6
  L1 w0.12: v1(24.8,48.1) U1.G13@25.2,48.5
+SATA_VPH: C82.1 R19.2 U1.G12 | length 0.6
  L1 w0.12: v1(24.8,47.3) U1.G12@25.2,47.7
+V_INPUT: J9.1 Q7.1 Q7.2 Q7.3 Q10.2 R100.2 R292.2 TP39.1
+VCC_CAN: C309.2 C397.1 C423.1 FB43.2 FB44.2 R382.2 U19.3 U35.5
+VCOREDIG: C377.1 R261.2 U9.51
+VDD_CSI: C278.1 C279.1 FB14.2 J12.15 R52.2 R53.2
+VDD_SNVS_CAP: C143.1 U1.G9 | length 0.6
  L1 w0.12: v1(24.8,44.9) U1.G9@25.2,45.3
+VDDA: C283.1 FB13.1 FB26.1 U14.5
+VDDD: C282.1 FB11.1 FB20.2 U14.30
+VDDIO: C281.1 FB12.2 U14.20
+VDDPU: C130.1 C131.1 C132.1 C133.1 C134.1 C135.1 U1.H17 U1.J17 U1.K17 U1.L17 U1.M17 U1.N17 U1.P17 | length 4
  L1 w0.12: v1(25.6,52.1) U1.H17@26,51.7 ; v1(26.4,52.1) U1.J17@26.8,51.7 ; v1(27.2,52.1) U1.K17@27.6,51.7 ; v1(28,52.1) U1.L17@28.4,51.7 ; v1(28.8,52.1) U1.M17@29.2,51.7 ; U1.N17@30,51.7 v1(30.4,52.1) ; U1.P17@30.8,51.7 v1(31.2,52.1)
+VDDUSB: C68.1 C80.1 U1.F9 | length 0.6
  L1 w0.12: v1(24,44.9) U1.F9@24.4,45.3
+VIN_4V2: C335.1 C344.1 C345.1 C346.1 C347.1 C348.1 C349.1 C350.1 C351.1 C367.1 C368.1 C369.1 C370.1 C371.1 C372.1 C373.1 C374.1 C375.1 C381.1 C406.1 C407.1 C427.1 C428.1 C435.1 C436.1 D9.1 L11.1 R203.2 R334.2 R335.2 R354.1 R397.2 R398.2 R403.1 TP38.1 U9.7 U9.10 U9.12 U9.20 U9.23 U9.24 U9.34 U9.37 U9.40 U9.45 U9.50 U30.1 U30.2 U30.16 U36.1 U36.2 U36.16
+VIN_5V: C88.1 C252.1 D9.2 FB2.1 FB23.1 FB24.2 FB31.2 FB34.2 FB37.1 Q1.3 Q7.5 Q7.6 Q7.7 Q7.8 R365.2 U17.7
+VIN_ETH: C239.1 R354.2 R355.2 U32.1
ANALOG_IN_0: J1.17 R282.2 U25.1
ANALOG_IN_0_SW: R282.1 U6.25 U25.4
ANALOG_IN_1: J1.18 U6.26
ANALOG_IN_2: J1.19 U6.20
ANALOG_IN_3: J1.20 R203.1 R239.2 R365.1 U6.27
AUD3_CLK: R206.2 U14.21
AUD3_CLK_R: R206.1 U1.T5 | length 0.6
  L1 w0.12: U1.T5@32.4,42.1 v1(32.8,41.7)
AUD3_RXD: U1.N3 U14.25 | length 0.6
  L1 w0.12: U1.N3@30,40.5 v1(30.4,40.1)
AUD3_TXC: R124.2 U14.24
AUD3_TXC_R: R124.1 U1.N1 | length 0.6
  L1 w0.12: U1.N1@30,38.9 v1(30.4,38.5)
AUD3_TXD: U1.P2 U14.26 | length 0.6
  L1 w0.12: U1.P2@30.8,39.7 v1(31.2,39.3)
AUD3_TXFS: U1.N4 U14.23 | length 0.6
  L1 w0.12: U1.N4@30,41.3 v1(30.4,40.9)
AUD_HP_L: C290.1 U14.6
AUD_HP_R: C291.1 U14.2
AUD_HP_VGND: R234.1 U14.4
AUD_VAG: C292.1 U14.10
BOARD_ID_1: R346.2 U1.W24 | length 0.6
  L1 w0.12: U1.W24@34.8,57.3 v1(35.2,57.7)
BOARD_VARIANT_0: R15.1 R166.2 U1.P25 | length 0.6
  L1 w0.12: U1.P25@30.8,58.1 v1(31.2,58.5)
BOARD_VARIANT_1: R159.1 R164.2 U1.R24 | length 0.6
  L1 w0.12: U1.R24@31.6,57.3 v1(32,57.7)
BOARD_VARIANT_2: R57.1 R163.2 U1.U25 | length 0.6
  L1 w0.12: U1.U25@33.2,58.1 v1(33.6,58.5)
BOOT_MODE0: Q9.3 R58.2 R172.1 U1.C12 | length 0.6
  L1 w0.12: v1(21.6,47.3) U1.C12@22,47.7
BOOT_MODE1: R171.1 R175.2 U1.F12 | length 0.6
  L1 w0.12: v1(24,47.3) U1.F12@24.4,47.7
BOOT_MODE_HDR: JP2.1 Q9.1 R173.1
BTN_OR_USER_LED_4: R390.1 R392.1 U6.1
CAN_N: C312.1 J1.8 R117.2 R249.1 U19.6
CAN_P: C311.1 J1.9 R41.2 R246.2 U19.7
CFF: C241.2 U32.11
COMP_1V375: C411.2 R343.2 U30.8
COMP_3V3_HDR: C433.2 R407.2 U36.8
COMP_BYP: C390.1 C398.1 U22.2
COMP_C1: C391.1 U22.15
COMP_CRST: C399.1 R110.2 U22.8
COMP_INT: R240.1 R241.2 R242.2 U1.N25 | length 0.6
  L1 w0.12: U1.N25@30,58.1 v1(30.4,58.5)
COMP_INT1: R242.1 U22.11
COMP_INT2: R241.1 U22.9
COMP_RST: R310.2 U22.16 U29.4
COMP_SA1: R315.1 R316.1 U22.10
CPU_GPIO0: J1.11 R208.1 R210.2 R227.2 U1.B17 | length 0.6
  L1 w0.12: v1(20.8,52.1) U1.B17@21.2,51.7
CPU_GPIO1: J1.12 R209.1 R211.2 R228.2 U1.B16 | length 0.6
  L1 w0.12: v1(20.8,51.3) U1.B16@21.2,50.9
CPU_GPIO2: J1.13 R273.2 U1.E23 | length 0.6
  L1 w0.12: v1(23.2,56.9) U1.E23@23.6,56.5
CPU_XTALI: C83.1 R20.1 R167.1 U1.A7 Y1.3 | length 0.6
  L1 w0.12: v1(20,43.3) U1.A7@20.4,43.7
CPU_XTALO: C84.1 R167.2 U1.B7 Y1.1 | length 0.6
  L1 w0.12: v1(20.8,43.3) U1.B7@21.2,43.7
CSI_CLK0_N: R125.1 U1.F4 | length 0.6
  L1 w0.1: v1(24,40.9) U1.F4@24.4,41.3
CSI_CLK0_P: R127.1 U1.F3 | length 0.6
  L1 w0.1: v1(24,40.1) U1.F3@24.4,40.5
CSI_CLK0_R_N: J12.8 R125.2 R126.2
CSI_CLK0_R_P: J12.9 R127.2 R128.2
CSI_D0_N: R33.1 U1.E4 | length 0.6
  L1 w0.1: v1(23.2,40.9) U1.E4@23.6,41.3
CSI_D0_P: R71.1 U1.E3 | length 0.6
  L1 w0.1: v1(23.2,40.1) U1.E3@23.6,40.5
CSI_D0_R_N: J12.2 R33.2 R65.2
CSI_D0_R_P: J12.3 R71.2 R119.2
CSI_D1_N: R120.1 U1.D1 | length 0.6
  L1 w0.1: v1(22.4,38.5) U1.D1@22.8,38.9
CSI_D1_P: R122.1 U1.D2 | length 0.6
  L1 w0.1: v1(22.4,39.3) U1.D2@22.8,39.7
CSI_D1_R_N: J12.5 R120.2 R121.2
CSI_D1_R_P: J12.6 R122.2 R123.2
CSI_GPIO0: R129.1 U1.A15 | length 0.6
  L1 w0.12: v1(20,50.5) U1.A15@20.4,50.1
CSI_GPIO1: R136.1 U1.B15 | length 0.6
  L1 w0.12: v1(20.8,50.5) U1.B15@21.2,50.1
CSI_REXT: R160.2 U1.D4 | length 0.6
  L1 w0.12: v1(22.4,40.9) U1.D4@22.8,41.3
CSPI1_CLK: J2.23 R43.2
CSPI1_CLK_R: R43.1 U1.C25 | length 0.6
  L1 w0.12: v1(21.6,58.5) U1.C25@22,58.1
CSPI1_CS0: J2.24 U1.E22 | length 0.6
  L1 w0.12: v1(23.2,56.1) U1.E22@23.6,55.7
CSPI1_CS1: J2.26 U1.T22 | length 0.6
  L1 w0.12: U1.T22@32.4,55.7 v1(32.8,56.1)
CSPI1_MISO: J2.21 U1.F21 | length 0.6
  L1 w0.12: v1(24,55.3) U1.F21@24.4,54.9
CSPI1_MOSI: J2.19 U1.D24 | length 0.6
  L1 w0.12: v1(22.4,57.7) U1.D24@22.8,57.3
CSPI2_CLK: J2.38 R130.2
CSPI2_CLK_R: R130.1 U1.U23 | length 0.6
  L1 w0.12: U1.U23@33.2,56.5 v1(33.6,56.9)
CSPI2_CS0: J2.35 U1.V25 | length 0.6
  L1 w0.12: U1.V25@34,58.1 v1(34.4,58.5)
CSPI2_MISO: J2.40 U1.U24 | length 0.6
  L1 w0.12: U1.U24@33.2,57.3 v1(33.6,57.7)
CSPI2_MOSI: J2.37 U1.T21 | length 0.6
  L1 w0.12: U1.T21@32.4,54.9 v1(32.8,55.3)
CSPI3_1DIR: R360.1 U34.2
CSPI3_2DIR: R359.1 U34.3
CSPI3_CLK: R131.2 R361.2 TP24.1 U15.6 U34.4